# KiCad board KES.kicad_pcb (continued)
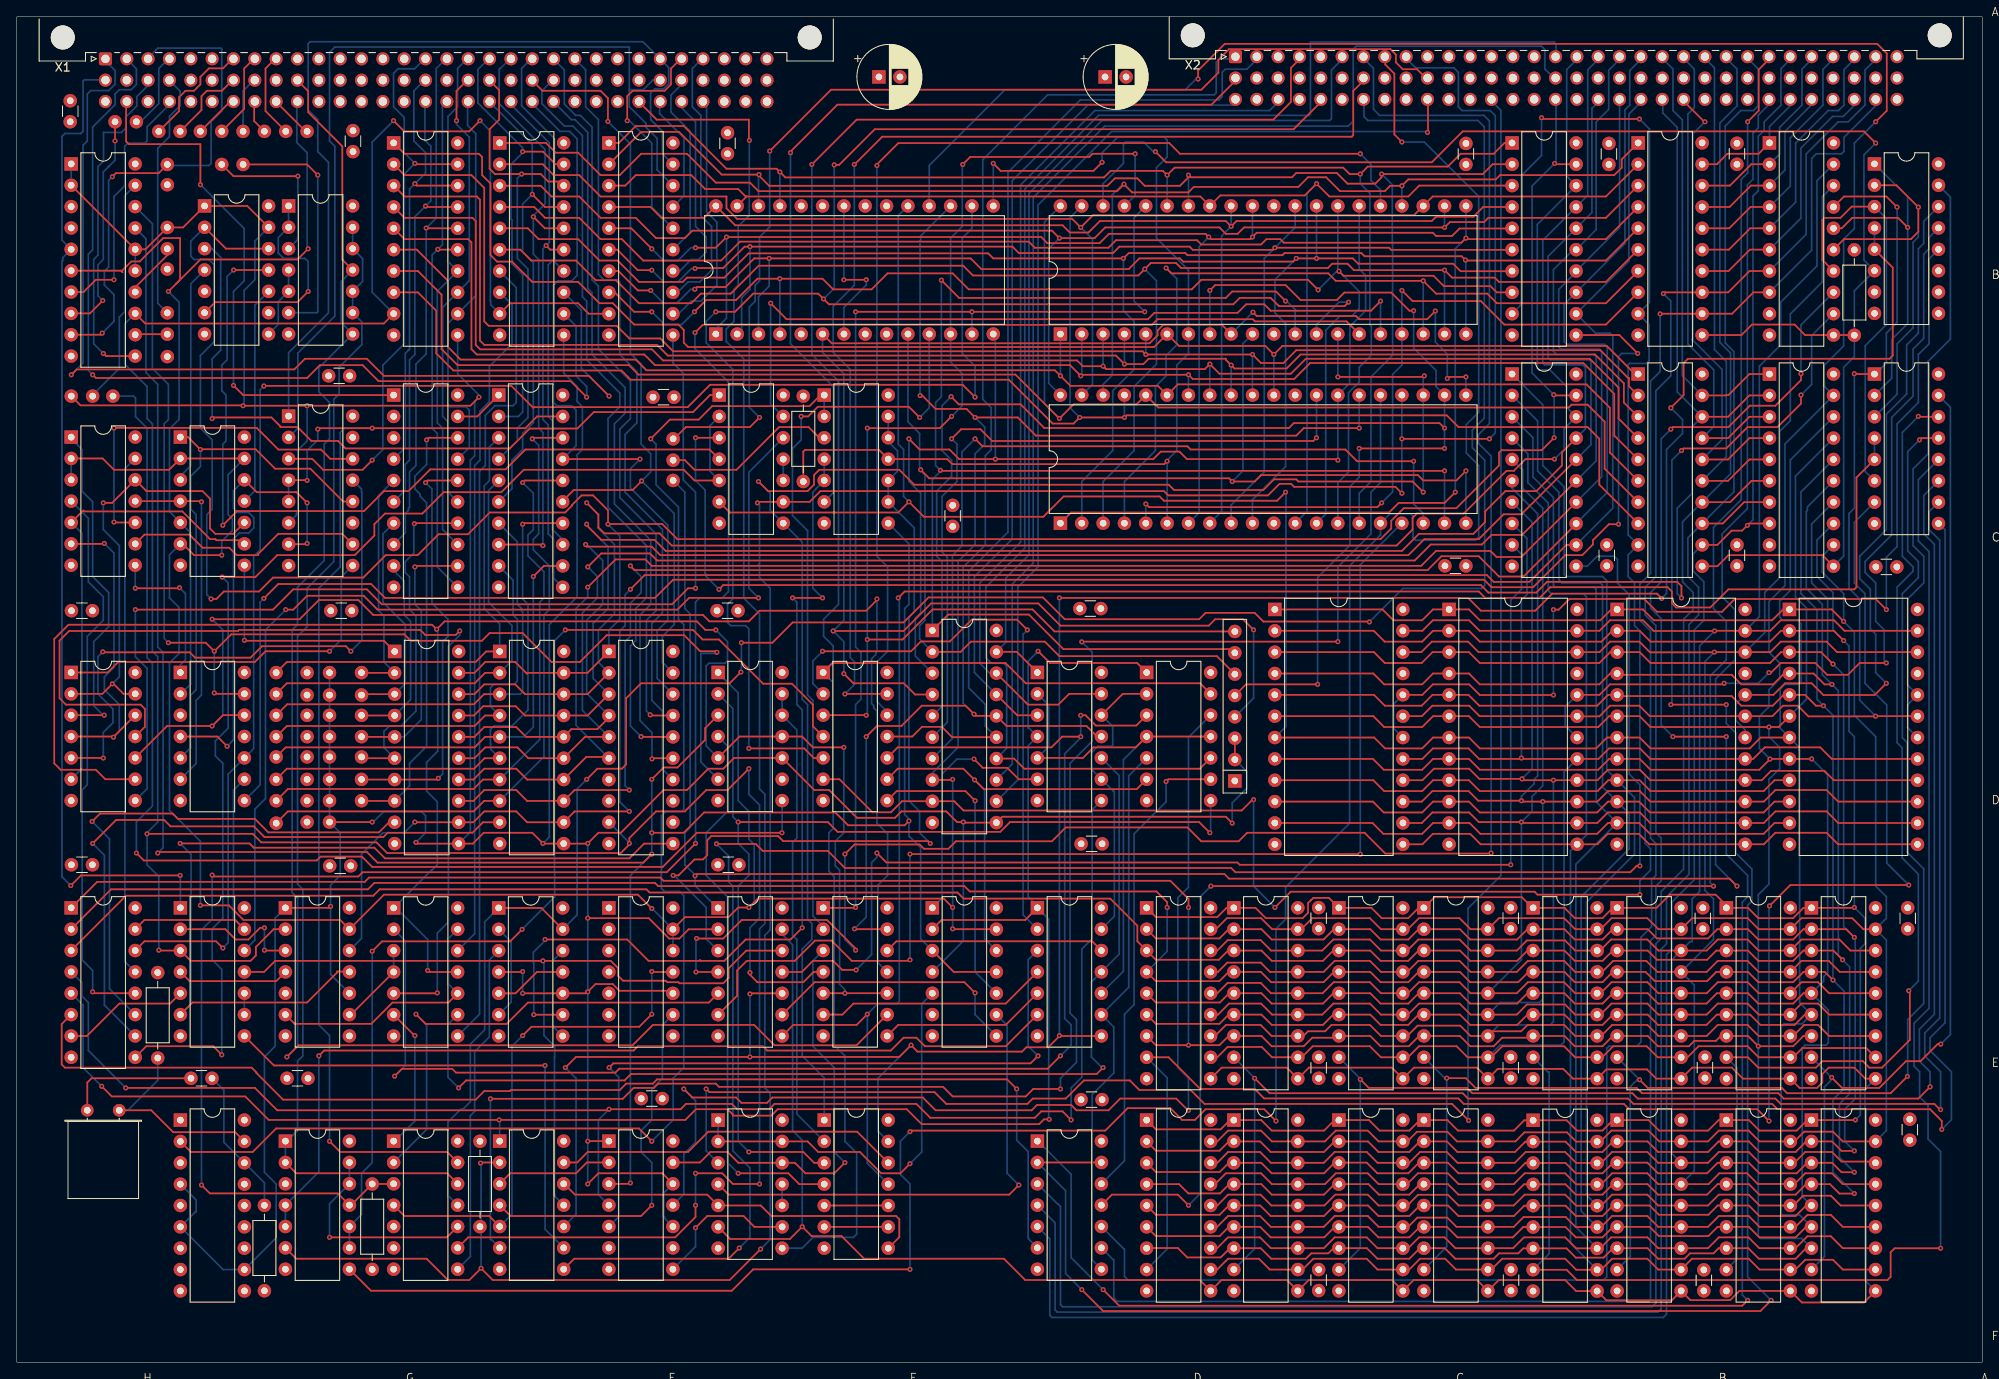
[diagram p0: board, top side]
## Routing (per net, layer and track width the routed paths; a pad name or vN(x,y) marks a point on that pad's centre or on a via; arc(x,y) is an arc through that point) (continued)
/Blatt 2/8.02: length 26.3
  Top w0.2: FWCM1.3 41.13,79.47
  Bottom w0.2: FWBM1.7 43.59,98.55 43.59,90.4 46.24,87.75 46.24,80.74 FWCM1.3
/Blatt 2/8.03: length 22.8
  Top w0.2: FWCM1.4 41.05,76.93
  Bottom w0.2: 44.85,94.19 46.11,92.93 46.11,88.89 46.87,88.13 46.87,78.83 FWCM1.4
/Blatt 2/8.04: length 31.6
  Top w0.2: FWBM1.12 47.5,94.73 v1(47.38,94.61) ; FWCM1.5 41.05,74.39
  Bottom w0.2: v1(47.38,94.61) 47.38,90.16 48.14,89.4 48.14,76.45 46.08,74.39 FWCM1.5
/Blatt 2/8.05: length 40.8
  Top w0.2: FWCM1.6 41.18,71.85 ; FWBM1.14 47.38,99.81 v1(47.32,99.75)
  Bottom w0.2: FWCM1.6 43.7,73.12 43.7,75.05 44.33,75.68 45.73,75.68 47.51,77.46 47.51,88.77 46.74,89.53 46.74,93.43 46.24,93.94 46.24,95.24 47.25,96.26 47.25,99.69 v1(47.32,99.75)
/Blatt 2/8.06: length 49.9
  Top w0.2: FWBM1.16 48.9,104.89 v1(48.65,104.64) ; v1(50.17,69.46) 50.02,69.31 FWCM1.7 41.05,69.31
  Bottom w0.2: v1(48.65,104.64) 49.41,103.88 49.41,90.29 51.32,88.38 51.32,86.35 50.68,85.72 50.68,69.97 v1(50.17,69.46)
/Blatt 2/8.07: length 53.4
  Top w0.2: v1(48.78,109.72) 49.03,109.97 FWBM1.18 ; FWCM1.8 41.05,66.77
  Bottom w0.2: FWCM1.8 46.74,68.54 46.74,71.24 48.78,73.27 48.78,102.23 48.01,102.99 48.01,103.24 47.38,103.88 47.38,105.4 48.78,106.8 v1(48.78,109.72)
/Blatt 2/8.08: length 54.5
  Top w0.2: J17.1 32.14,83.3 54.62,83.3 55.86,84.55 FMCM1.1
  Bottom w0.2: FMBM1.3 56.25,108.87 56.25,104.88 55.63,104.26 55.63,89.65 57.47,87.82 FMCM1.1
/Blatt 2/8.09: length 52.8
  Top w0.2: FMCM1.2 55.74,82.01 54.49,80.76 32.14,80.76 J18.1
  Bottom w0.2: FMCM1.2 58.94,83.48 58.94,87.62 56.14,90.42 56.14,103.68 FMBM1.5
/Blatt 2/8.10: length 51.7
  Top w0.2: FMCM1.3 55.61,79.47 54.41,78.27 32.18,78.27 J19.1
  Bottom w0.2: FMCM1.3 59.93,79.47 60.21,79.75 60.21,89.27 60.08,89.4 60.08,89.65 59.57,90.16 59.57,97.59 FMBM1.7
/Blatt 2/8.11: length 49.6
  Top w0.2: FMCM1.4 55.74,76.93 54.49,75.68 32.14,75.68 J20.1
  Bottom w0.2: FMBM1.9 59.06,93.02 59.06,88.89 59.57,88.38 59.57,81.02 59.19,80.64 56.78,80.64 56.37,80.23 56.37,78.03 FMCM1.4
/Blatt 2/8.12: length 54
  Top w0.2: FMCM1.5 55.74,74.39 54.49,73.14 32.01,73.14 J21.1 ; v1(61.48,93.46) 62.74,94.73 FMBM1.12
  Bottom w0.2: FMCM1.5 60.31,74.39 61.48,75.56 v1(61.48,93.46)
/Blatt 2/8.13: length 64.1
  Top w0.2: FMBM1.14 60.33,99.81 v1(60.21,99.69) ; FMCM1.6 55.67,71.85 54.43,70.6 32.14,70.6 J22.1
  Bottom w0.2: FMCM1.6 56.4,72.92 56.4,73.53 56.37,73.55 56.37,75.28 56.68,75.58 56.7,75.58 56.8,75.68 58.94,75.68 60.84,77.59 60.84,90.16 60.21,90.8 v1(60.21,99.69)
/Blatt 2/8.14: length 71.6
  Top w0.2: J23.1 32.27,68.19 54.36,68.19 55.48,69.31 FMCM1.7 ; v1(60.21,104.64) 60.46,104.89 FMBM1.16
  Bottom w0.2: v1(60.21,104.64) 61.48,103.37 61.48,99.05 60.84,98.42 60.84,95.93 62.75,94.02 62.75,90.92 62.24,90.42 62.24,74.08 FMCM1.7
/Blatt 2/8.15: length 78.3
  Top w0.2: FMCM1.8 55.61,66.77 54.36,65.52 32.27,65.52 J24.1 ; FMBM1.18 61.47,109.97 v1(61.35,109.85)
  Bottom w0.2: v1(61.35,109.85) 62.11,109.09 62.11,98.54 61.48,97.91 61.48,96.64 63.38,94.73 63.38,89.53 62.75,88.89 62.75,72.05 FMCM1.8
/Blatt 3/11.40: length 217.2
  Top w0.2: v1(10.1,32.82) 11.31,31.62 27.19,31.62 29.98,28.82 v1(57.41,28.82) 79.57,28.82 80.84,30.09 84.59,30.09 85.22,29.46 85.22,29.33 89.8,29.33 90.56,30.09 105.93,30.09 107.7,28.31 121.67,28.31 122.25,28.88 v1(122.88,28.88) ; DUDM1.2 110.07,52.61 120.03,52.61 DKDM1.1 ; v1(121.55,84.57) 121.57,84.57 122.97,83.18 133.34,83.18 DACO1.1
  Bottom w0.2: FMEK1.1 57.47,28.76 v1(57.41,28.82) ; 121.47,54.04 122.82,52.7 122.82,28.95 v1(122.88,28.88) ; 121.47,54.3 120.37,55.4 120.37,73.33 DKCO1.4 120.47,75.43 120.4,75.43 120.37,75.46 120.37,83.4 v1(121.55,84.57) ; v1(10.1,32.82) 7.88,35.04 7.88,42.48 HEDM1.5
/Blatt 3/11.53: length 143.2
  Top w0.2: HEDM1.6 5.34,40.22 5.34,35.43 5.72,35.04 27.95,35.04 28.51,34.48 28.51,34.41 31.69,31.23 54.62,31.23 55.63,32.25 58.68,32.25 58.81,32.38 71.76,32.38 72.53,33.14 75.7,33.14 76.21,33.65 117.86,33.65 v1(119.01,32.5)
  Bottom w0.2: DKEK1.6 120.4,14.67 120.4,14.85 120.37,14.89 120.37,25.05 119.01,26.41 v1(119.01,32.5)
/Blatt 3/11.60: length 184.3
  Top w0.2: v1(12.96,32.63) 28.33,32.63 31,29.96 70.37,29.96 v1(70.49,30.09) 79,30.09 79.64,30.73 85.1,30.73 85.73,30.09 89.54,30.09 90.18,30.73 107.07,30.73 108.72,29.08 121.17,29.08 121.93,29.84 124.47,29.84 v1(125.48,28.82)
  Bottom w0.2: v1(12.96,32.63) 8.52,37.08 8.52,42.79 7.75,43.55 7.75,45.2 7.7,45.2 HEDM1.4 ; DKCO1.8 127.99,65.71 127.99,50.38 126.75,49.14 126.75,33.9 125.48,32.63 v1(125.48,28.82) ; v1(70.49,30.09) 69.22,28.82 69.22,19.93 FCEK1.4
/Blatt 3/11.66: length 32.8
  Top w0.2: HEDM1.15 15.19,52.61 25.99,52.61 GSDM1.13
  Bottom w0.2: GSDM1.13 25.79,52.81 25.79,68.05 GSCO1.9
/Blatt 3/11.87: length 142
  Top w0.2: v1(91.07,62.98) 80.94,62.98 76.88,58.92 42.3,58.92 41.07,60.15 36.16,60.15 35.69,59.68 15.12,59.68 v1(14.23,60.57)
  Bottom w0.2: v1(91.07,62.98) 91.09,63.01 EQCO1.8 ; v1(14.23,60.57) 14.23,64.25 16.14,66.16 16.14,83.18 15.5,83.81 15.5,111.12 14.13,112.49 14.13,114.7 13.9,114.93 X1009.1
/Blatt 3/11.88: length 56.5
  Top w0.2: v1(136.79,69.08) 137.06,69.35 DACO1.9
  Bottom w0.2: DKEK1.12 131.83,23.96 131.83,41.39 132.98,42.54 132.98,62.86 136.79,66.67 v1(136.79,69.08)
/Blatt 3/11.91: length 29.2
  Top w0.2: X9.9.1 34.55,142.49 v1(35.82,141.22)
  Bottom w0.2: v1(35.82,141.22) 35.82,124.96 35.71,124.85 GIAS1.6
/Blatt 3/11.92: length 151.1
  Top w0.2: v1(23.5,79.62) 23.61,79.51 GSCO1.13 ; v1(83.32,84.45) 83.19,84.57 81.34,84.57 79.43,86.48 70.2,86.48 67.06,83.34 67.06,83.3 63.64,83.3 60.21,86.73 56.27,86.73 55.36,85.83 46.89,85.83 46.11,86.61 46.09,86.59 25.52,86.59 v1(23.5,84.57) 22.49,85.59 v1(18.04,85.59)
  Bottom w0.2: v1(23.5,84.57) v1(23.5,79.62) ; v1(18.04,85.59) 17.53,86.1 17.53,111.63 18.04,112.13 18.04,116.32 16.14,118.23 16.14,135.42 HEAO1.18 ; EQCO1.6 81.41,71.41 81.41,84.32 83.19,84.32 v1(83.32,84.45)
/Blatt 3/11.97: length 18.7
  Top w0.2: v1(33.45,141.09) 25.79,141.09 X9.10.1
  Bottom w0.2: v1(33.45,141.09) 33.45,133.76 33.41,133.72 33.41,133.53 GIAS1.3
A0: length 510.9
  Top w0.2: CQDM1.5 148.13,43.89 149.36,42.66 155.46,42.66 156.68,43.89 ; 156.83,18.64 155.58,17.39 149.23,17.39 147.98,18.64 CQEI1.5 ; DAEI1.5 135.57,17.54 143.16,17.54 144.26,18.64 ; v1(140.6,152.65) 140.6,153.66 143.77,156.84 221.42,156.84 222.56,155.7 222.56,148.89 v1(221.24,147.57) ; 189.98,18.64 188.73,17.39 185.56,17.39 184.33,18.62 BMEI1.5 179.42,18.62 178.19,17.39 171.59,17.39 170.34,18.64 BWEI1.5 ; 166.99,18.64 165.74,17.39 162.06,17.39 160.81,18.64 CGEI1.5 ; BEEI1.5 194.34,18.64 195.44,17.54 201.34,17.54 202.44,18.64 ASEI1.5 206.15,18.64 207.4,17.39 211.72,17.39 212.97,18.64 ; 144.29,43.89 143.19,42.79 135.57,42.79 DADM1.5 ; CGCI1.8 161.4,71.77 162.69,70.48 167.27,70.48 168.56,71.77 BOCI1.8 172.83,71.77 174.12,70.48 188.22,70.48 189.51,71.77 AWCI1.8 193.15,71.77 194.44,70.48 207.4,70.48 v1(208.67,71.75) 208.69,71.77 AGCI1.8 v1(213.62,71.77) ; BWDM1.5 171.76,43.89 172.98,42.66 178.57,42.66 179.8,43.89 ; BEDM1.5 194.11,43.89 195.33,42.66 201.11,42.66 202.34,43.89 ASDM1.5 206.05,43.89 207.27,42.66 211.42,42.66 212.65,43.89 AKDM1.5 ; BMDM1.5 184.2,43.89 185.43,42.66 188.73,42.66 189.96,43.89 ; CGDM1.5 161.09,43.89 162.31,42.66 165.62,42.66 166.84,43.89
  Bottom w0.2: DUAS1.18 108.6,142.37 117.61,151.38 139.07,151.38 140.34,152.65 v1(140.6,152.65) ; v1(208.67,71.75) 207.4,73.02 207.4,76.83 208.54,77.97 208.54,80 209.81,81.27 209.81,83.18 208.54,84.45 208.54,90.48 210.45,92.38 210.45,109.24 AQBK1.19 215.16,116.07 215.15,116.07 215.15,116.58 215.12,116.6 215.12,118.58 217.43,120.9 217.43,133.6 218.7,134.87 218.7,145.03 v1(221.24,147.57) ; AKEI1.5 212.5,19.74 212.5,37.38 212.83,37.71 215.32,37.71 215.6,37.99 215.6,41.89 AKDM1.5 215.04,45.33 215.04,45.86 215.53,46.35 215.53,69.87 v1(213.62,71.77)
A1: length 477.8
  Top w0.2: 166.84,41.35 165.62,40.12 162.31,40.12 161.09,41.35 CGDM1.6 ; BWEI1.6 170.21,16.1 171.46,14.85 178.06,14.85 179.29,16.08 BMEI1.6 184.33,16.08 185.56,14.85 188.73,14.85 189.98,16.1 ; 156.86,16.1 155.61,14.85 149.23,14.85 147.98,16.1 CQEI1.6 ; DADM1.6 135.57,40.25 143.14,40.25 144.24,41.35 ; CGEI1.6 160.81,16.1 162.06,14.85 165.74,14.85 166.99,16.1 ; 144.26,16.1 143.16,15 135.57,15 DAEI1.6 ; BMDM1.6 184.2,41.35 185.43,40.12 188.73,40.12 189.96,41.35 ; BWDM1.6 171.76,41.35 172.98,40.12 178.57,40.12 179.8,41.35 ; 212.97,16.1 211.72,14.85 207.4,14.85 206.15,16.1 ASEI1.6 202.43,16.1 201.32,15 195.44,15 194.34,16.1 BEEI1.6 ; 156.68,41.35 155.46,40.12 149.36,40.12 148.13,41.35 CQDM1.6 ; BEDM1.6 194.11,41.35 195.33,40.12 201.11,40.12 202.34,41.35 ASDM1.6 206.3,41.35 207.53,40.12 211.59,40.12 212.82,41.35 AKDM1.6 ; v1(151.01,103.5) 150,102.48 136.53,102.48 136.03,102.99 124.59,102.99 122.18,100.58 107.96,100.58 v1(106.18,102.35) 104.91,101.08 84.87,101.08 EQBM1.6 ; CGCI1.7 161.55,74.31 162.85,73.02 167.27,73.02 168.56,74.31 BOCI1.7 172.83,74.31 174.12,73.02 187.97,73.02 189.26,74.31 AWCI1.7 193.15,74.31 194.44,73.02 206.26,73.02 207.55,74.31 AGCI1.7
  Bottom w0.2: DUAS1.19 104.91,136.4 104.91,109.21 105.54,108.58 105.54,102.99 v1(106.18,102.35) ; v1(151.01,103.5) 151.05,103.46 151.05,75.63 CGCI1.7 ; AQBK1.18 211.08,107.33 211.08,91.81 209.81,90.54 209.81,88.64 210.19,88.26 211.97,88.26 212.35,87.88 212.35,80.89 212.1,80.64 210.45,80.64 209.88,80.07 209.88,75.41 AGCI1.7 212.1,73.19 212.1,72.89 212.19,72.8 212.19,42.76 AKDM1.6 ; AKEI1.6 212.18,17.52 210.07,17.52 209.99,17.59 209.99,39.9 210.34,40.25 212.48,40.25 213.58,41.35
A2: length 489.4
  Top w0.2: BWDM1.7 171.76,38.81 172.98,37.58 175.78,37.58 176.79,38.6 180.26,38.6 ; 157.14,38.6 154.19,38.6 153.17,37.58 149.36,37.58 148.13,38.81 CQDM1.7 ; 156.71,13.56 156.09,12.95 154.06,12.95 153.42,12.31 149.3,12.31 148.05,13.56 CQEI1.7 ; 189.96,38.81 188.73,37.58 185.43,37.58 184.2,38.81 BMDM1.7 ; CGCI1.6 161.45,76.85 162.75,75.56 167.27,75.56 168.56,76.85 BOCI1.6 172.83,76.85 174.12,75.56 188.22,75.56 189.51,76.85 AWCI1.6 193.15,76.85 194.44,75.56 v1(208.54,75.56) 209.69,75.56 AGCI1.6 ; 189.98,13.56 188.86,12.44 185.56,12.44 184.46,13.54 BMEI1.7 179.29,13.54 178.7,12.95 176.41,12.95 175.78,12.31 171.2,12.31 169.96,13.56 BWEI1.7 ; 144.39,13.56 143.29,12.46 139.31,12.46 138.18,13.58 134.49,13.58 ; 212.97,13.56 211.72,12.31 207.34,12.31 206.09,13.56 ASEI1.7 202.55,13.56 201.94,12.95 199.14,12.95 198.51,12.31 195.33,12.31 194.09,13.56 BEEI1.7 ; DADM1.7 135.57,37.71 v1(139.45,37.71) 143.14,37.71 144.24,38.81 ; 202.81,38.81 202.22,38.22 199.65,38.22 199.02,37.58 195.33,37.58 194.11,38.81 BEDM1.7 ; CGDM1.7 161.09,38.81 162.31,37.58 165.68,37.58 166.9,38.81 ; HEDM1.1 9.56,57.14 41.41,57.14 41.92,57.65 76.59,57.65 76.97,57.27 137.29,57.27 139.45,55.11 v1(139.45,54.09) ; ASDM1.7 206.05,38.81 v1(207.27,37.58) 211.42,37.58 212.65,38.81 AKDM1.7 ; 166.99,13.56 165.74,12.31 161.93,12.31 160.68,13.56 CGEI1.7
  Bottom w0.2: v1(139.45,54.09) v1(139.45,37.71) ; AQBK1.17 211.7,105.41 211.7,91.03 213.01,89.72 213.01,78.88 AGCI1.6 ; v1(208.54,75.56) 208.54,74.41 209.81,73.14 209.81,70.6 208.54,69.33 208.54,56.89 207.27,55.62 v1(207.27,37.58) 207.27,14.98 207.53,14.72 212.44,14.72 AKEI1.7
A3: length 479.7
  Top w0.2: 189.97,21.18 188.72,19.93 185.56,19.93 184.33,21.16 BMEI1.4 179.37,21.16 178.14,19.93 171.59,19.93 170.34,21.18 BWEI1.4 ; 179.92,46.43 178.7,45.2 172.98,45.2 171.76,46.43 BWDM1.4 ; 166.99,21.18 165.74,19.93 162.12,19.93 160.87,21.18 CGEI1.4 ; CGDM1.4 161.09,46.43 162.31,45.2 165.62,45.2 166.84,46.43 ; AKEI1.4 215.8,21.18 216.92,20.06 v1(218.7,20.06) ; 144.3,21.18 143.2,20.08 139.43,20.08 138.33,21.18 DAEI1.4 ; 190.62,79.24 204.1,79.24 205.24,78.1 208.99,78.1 210.28,79.39 AGCI1.5 212.84,79.39 214.13,78.1 v1(215.02,78.1) ; v1(216.16,45.46) 215.19,46.43 AKDM1.4 212.65,46.43 211.42,45.2 207.27,45.2 206.05,46.43 ASDM1.4 202.28,46.43 201.18,45.33 194.95,45.33 193.85,46.43 BEDM1.4 ; 212.97,21.18 211.72,19.93 207.4,19.93 206.15,21.18 ASEI1.4 202.43,21.18 201.18,19.93 195.33,19.93 194.09,21.18 BEEI1.4 ; CQDM1.4 148.07,46.43 149.3,45.2 155.54,45.2 156.76,46.43 ; DADM1.4 135.57,45.33 143.14,45.33 144.24,46.43 ; HEDM1.2 11.21,56.25 41.79,56.25 42.55,57.02 75.95,57.02 76.33,56.63 112.78,56.63 113.42,56 135.64,56 136.91,54.73 v1(136.91,54.09) ; 156.83,21.18 155.58,19.93 149.37,19.93 148.12,21.18 CQEI1.4 ; AWCI1.5 189.39,79.39 188.09,78.1 174.06,78.1 172.77,79.39 BOCI1.5 168.5,79.39 167.2,78.1 162.82,78.1 161.53,79.39 CGCI1.5 ; BMDM1.4 184.2,46.43 185.43,45.2 188.73,45.2 189.96,46.43
  Bottom w0.2: AQBK1.16 212.35,103.52 212.35,91.43 214.26,89.53 214.26,78.86 v1(215.02,78.1) 216.16,76.95 v1(216.16,45.46) 217.48,44.14 217.48,32.56 216.16,31.23 216.16,22.6 v1(218.7,20.06) ; v1(136.91,54.09) 136.91,48.87 DADM1.4
A4: length 467.4
  Top w0.2: 210.34,81.93 209.05,80.64 205.24,80.64 204.1,81.78 190.62,81.78 ; 189.96,48.97 188.73,47.74 185.43,47.74 184.2,48.97 BMDM1.3 ; 144.16,48.97 143.06,47.87 135.57,47.87 DADM1.3 133.37,50.07 133.37,51.92 130.14,55.15 112.69,55.15 111.96,55.87 75.32,55.87 74.94,56.25 43.19,56.25 42.43,55.49 12.99,55.49 HEDM1.3 ; 166.84,48.97 165.62,47.74 162.31,47.74 161.09,48.97 CGDM1.3 ; v1(218.7,22.6) 217.18,22.6 216.06,23.72 AKEI1.3 ; 190.49,23.74 194.06,23.74 195.33,22.47 201.18,22.47 202.43,23.72 ASEI1.3 206.15,23.72 207.4,22.47 211.84,22.47 213.09,23.72 ; 179.8,48.97 178.57,47.74 172.98,47.74 171.76,48.97 BWDM1.3 ; 156.83,23.72 155.58,22.47 149.36,22.47 148.11,23.72 CQEI1.3 ; DAEI1.3 135.57,22.62 143.16,22.62 144.26,23.72 ; BEDM1.3 194.11,48.97 195.21,47.87 201.18,47.87 202.28,48.97 ASDM1.3 206.05,48.97 207.27,47.74 211.42,47.74 212.65,48.97 AKDM1.3 216.21,48.97 v1(217.3,47.87) ; AGCI1.4 213.85,81.93 215.15,80.64 v1(216.03,80.64) ; CQDM1.3 148.13,48.97 149.36,47.74 155.46,47.74 156.68,48.97 ; 167.49,23.74 170.31,23.74 171.59,22.47 178.32,22.47 179.54,23.7 BMEI1.3 184.33,23.7 185.56,22.47 188.73,22.47 189.98,23.72 ; CGCI1.4 161.45,81.93 162.75,80.64 167.27,80.64 168.56,81.93 BOCI1.4 172.83,81.93 174.12,80.64 188.35,80.64 189.64,81.93 AWCI1.4 ; 157.37,23.74 160.66,23.74 161.93,22.47 165.62,22.47 166.87,23.72
  Bottom w0.2: AQBK1.15 213.11,101.74 213.11,101.34 212.99,101.21 212.99,92.07 214.89,90.16 214.89,81.78 v1(216.03,80.64) 216.8,79.88 216.8,48.38 v1(217.3,47.87) 218.14,47.03 218.14,31.95 216.92,30.73 216.92,24.38 v1(218.7,22.6)
A14: length 242.3
  Top w0.2: v1(196.86,110.99) 197.11,111.24 203.72,111.24 206.26,113.78 209.3,113.78 212.35,116.83 v1(212.35,117.59) ; v1(129.29,8.63) 131.2,6.72 205.37,6.72 v1(206,7.36) ; v1(203.46,74.41) v1(197.11,74.41)
  Bottom w0.2: v1(197.11,74.41) 195.72,75.81 195.72,88.45 194.44,89.72 194.44,91.56 195.72,92.83 195.72,109.85 v1(196.86,110.99) ; v1(203.46,74.41) 203.46,60.44 206,57.9 206,55.36 205.37,54.73 205.37,7.99 v1(206,7.36) ; 121.53,26.3 125.48,22.34 125.48,12.44 v1(129.29,8.63) ; v1(212.35,117.59) 212.35,123.4 AQAM1.13
A15: length 248.3
  Top w0.2: v1(203.46,78.22) v1(196.86,78.22) ; v1(126.75,8.63) 129.29,6.09 207.53,6.09 v1(208.8,7.36) ; v1(198.13,108.45) 198.38,108.7 203.46,108.7 206,111.24 209.56,111.24 212.35,114.04 v1(212.35,115.05) ; DKEK1.2 DKEK1.13
  Bottom w0.2: v1(196.86,78.22) 196.98,78.35 196.98,107.31 v1(198.13,108.45) ; v1(126.75,8.63) 124.82,10.56 124.82,20.41 DKEK1.2 ; v1(208.8,7.36) 206,10.15 206,54.35 206.51,54.86 206.51,58.67 204.61,60.57 204.61,74.84 203.46,75.99 v1(203.46,78.22) ; AQAM1.12 213.66,122.17 213.62,122.17 213.62,116.32 v1(212.35,115.05)
BAO: length 247.8
  Top w0.2: v1(193.18,55.62) 181,55.62 180.64,55.97 151.62,55.97 v1(149.74,54.09) ; EGCO1.6 97.91,69.35 101.84,65.42 104.04,65.42 105.35,66.73 DUCK1.9 111.58,66.73 112.68,65.63 145.78,65.63 147.07,66.92 v1(147.2,66.92) ; v1(181.47,148.05) 181.62,147.9 v1(193.12,147.9)
  Bottom w0.2: v1(181.47,148.05) 181.47,143.55 179.07,141.15 179.07,126.15 178.97,126.05 178.97,125.73 BOAM1.9 ; v1(147.2,66.92) 147.2,56.63 v1(149.74,54.09) ; v1(193.18,55.62) 193.18,57.27 194.44,58.54 194.44,61.08 193.81,61.71 193.81,69.84 193.18,70.48 193.18,86.99 192.54,87.62 192.54,92.7 191.78,93.46 191.78,96.04 BCBK1.9 191.78,98.42 191.78,118.66 191.93,118.81 193.96,118.81 194.26,119.12 194.26,123.44 BCAM1.9 194.32,126.08 194.32,146.7 v1(193.12,147.9)
CLKSK: length 125.2
  Top w0.2: R6.1 93.61,108.32 93.81,108.53 102.62,108.53 EGBM1.11 110.76,107.43 111.35,106.83 136.56,106.83 v1(136.91,107.18) ; v1(129.17,142.74) 128.15,141.72 117.1,141.72 v1(116.21,142.61)
  Bottom w0.2: DUAS1.15 116.22,142.61 v1(116.21,142.61) ; v1(129.17,142.74) 129.17,143.88 131.07,145.79 136.51,145.79 136.91,145.38 136.91,143.38 135.64,142.11 135.64,133.72 139.45,129.92 CAAS1.7 139.45,120 138.06,118.61 138.06,108.45 136.91,107.3 v1(136.91,107.18) CABM1.6
DIRMEM: length 226.9
  Top w0.2: FMEK1.8 66.34,12.31 84.72,12.31 v1(85.99,13.58) ; v1(83.27,61.66) 83.28,61.65 87.96,61.65 88.78,60.83 96.53,60.83 98.56,58.79 144.53,58.79 145.04,58.29 192.03,58.29 192.79,59.05 v1(193.18,59.05)
  Bottom w0.2: BOBK1.11 186.91,94.69 188.09,95.88 190.13,95.88 190.51,95.5 190.51,92.7 191.91,91.31 191.91,69.97 193.18,68.7 v1(193.18,59.05) ; v1(85.99,13.58) 87.26,14.85 87.26,23.11 85.22,25.14 85.22,56.63 84.72,57.14 84.72,60.22 v1(83.27,61.66)
DRDY: length 132.8
  Top w0.2: v1(159.9,143.76) 138.44,143.76 137.17,145.03 104.91,145.03 102.37,142.49
  Bottom w0.2: v1(102.37,142.36) 102.37,95.88 103.64,94.61 103.64,84.57 102.37,83.3 102.37,78.61 103.59,77.39 ; CAAS1.25 162.31,139.44 161.17,140.58 161.17,142.49 v1(159.9,143.76)
H1: length 190.4
  Top w0.2: BCBK1.11 202.4,94.69 203.72,96 214.91,96 AQBK1.11 ; v1(221.24,145.03) 219.84,146.42 172.09,146.42 168.41,142.74 136.79,142.74 v1(135.52,144.01) ; BCAM1.11 205.26,122.19 206.51,123.44 211.59,123.44 212.84,122.19 AQAM1.11 218.68,122.19
  Bottom w0.2: v1(135.52,144.01) 135.26,144.01 134.12,145.15 131.96,145.15 131.71,144.9 131.71,142.61 129.29,140.2 CAAS1.38 ; AQBK1.11 217.43,95.9 217.43,118.36 218.7,119.63 R1.1 218.7,127.45 AEAO1.6 219.84,131.11 219.84,143.63 v1(221.24,145.03)
H2: length 610.7
  Top w0.2: v1(47.51,61.84) 47.66,61.69 FWCM1.11 54.28,61.69 55.57,62.98 61.35,62.98 v1(62.62,61.71) 62.64,61.69 FMCM1.11 67.93,61.69 v1(67.95,61.71) 69.22,62.98 71.89,62.98 76.97,68.06 79.76,68.06 82.3,70.6 84.08,70.6 85.37,71.89 EQCO1.10 94.92,68.06 96.69,68.06 99.99,64.76 104.53,64.76 105.29,65.52 110.62,65.52 111.9,64.25 v1(112.66,64.25) 112.72,64.19 DUCK1.11 117.29,64.89 143.9,64.89 v1(144.66,64.13) ; FCEK1.12 76.84,22.47 69.22,22.47 v1(67.95,21.2) ; v1(37.35,54.22) 37.17,54.05 GIDM1.1 ; v1(60.21,46.47) 60.15,46.42 FMDM1.4 ; R2.2 R2.3 ; GQAS1.13 27.43,137.55 GQAS1.1 19.79,134.99 X1003.1 15.31,132.39 HEAO1.16 HEAO1.2 ; J12.1 v1(42.3,64.25) ; v1(67.95,52.82) 75.21,52.82 77.63,50.4 78.86,50.4 79.96,51.5 EQDM1.2 ; 34.93,113.78 v1(26.93,113.78) 26.89,113.83 7.59,113.83 X1011.1 ; 77.78,44.19 71.72,44.19 70.93,44.98 68.87,44.98 v1(67.95,44.06) 67.77,43.88 FMDM1.10 v1(60.21,43.88) ; FCEK1.1 67.97,26.3 v1(67.95,26.28) ; v1(55,114.8) 53.98,113.78 v1(34.55,113.78)
  Bottom w0.2: v1(26.93,113.78) 27.06,113.91 27.06,127.5 28.33,128.77 28.33,133.37 GQAS1.13 ; DUDM1.4 112.66,50.12 v1(112.66,64.25) ; FCEK1.10 77.1,17.13 77.1,17.26 76.99,17.37 76.99,20.12 FCEK1.12 ; v1(34.55,113.78) 34.55,109.59 33.41,108.45 33.45,108.41 33.45,101.13 33.28,100.96 33.28,100.78 GIBO1.6 ; v1(67.95,21.2) v1(67.95,26.28) v1(67.95,44.06) v1(67.95,52.82) v1(67.95,61.71) ; HEAO1.2 HEAO1.1 ; GIDM1.1 30.74,52.82 30.74,37.58 29.47,36.31 29.47,22.6 30.87,21.2 30.87,14.8 GSEI1.11 24.55,11.02 GSEI1.6 21.27,17.9 21.34,17.9 21.34,19.3 21.09,19.55 21.09,19.56 GSEI1.4 ; HEAO1.15 HEAO1.16 ; v1(60.21,43.88) v1(60.21,46.47) ; v1(42.3,64.25) 42.43,64.25 43.7,65.52 48.14,65.52 48.65,65.02 48.65,62.98 v1(47.51,61.84) ; GIDM1.10 37.35,46.13 v1(37.35,54.22) 37.35,56.76 38.49,57.9 38.49,62.98 J12.1 37.22,81.91 ; v1(62.62,61.71) 63.38,62.48 63.38,87.75 66.68,91.05 66.68,107.94 67.32,108.58 67.32,113.66 66.68,114.29 66.68,116.07 65.09,117.66 FMAM1.11 ; FWCM1.11 53.98,63.08 53.98,107.31 54.49,107.82 54.49,114.29 v1(55,114.8) 55.13,114.93 52.47,117.58 FWAM1.11 ; R2.2 146.44,70.22 146.44,68.32 144.66,66.54 v1(144.66,64.13)
IEDC: length 88.1
  Top w0.2: v1(107.45,112.39) 106.18,113.66 95.33,113.66 94.19,112.51 v1(93.35,112.51)
  Bottom w0.2: DUAS1.11 108.6,113.54 v1(107.45,112.39) ; 95.97,51.85 94.75,53.07 94.75,78.73 94.12,79.37 94.12,98.93 92.32,100.72 92.32,108.69 93.35,109.72 v1(93.35,112.51)
IEOD: length 126
  Top w0.2: EGDM1.1 99.79,54.05 v1(99.83,54.09) ; v1(134.25,124.96) v1(113.67,124.96) v1(99.83,124.96)
  Bottom w0.2: v1(99.83,54.09) 99.83,78.22 100.47,78.86 100.47,84.45 99.83,85.08 v1(99.83,124.96) ; v1(113.67,124.96) 113.68,124.95 DUAS1.13 ; CAAS1.36 132.98,136.16 132.98,126.23 v1(134.25,124.96)
KAN: length 27.4
  Top w0.2: v1(27.09,85.88) 27.14,85.83 43.69,85.83 FWCM1.1
  Bottom w0.2: GSBQ1.8 v1(27.09,85.88)
RD16: length 96
  Bottom w0.2: FMAM1.7 59.44,127.84 59.44,114.17 59.06,113.78 56.9,113.78 55.76,112.64 55.76,106.67 55.08,105.99 55.08,41.41 FWDM1.8
STBMAP: length 103.8
  Top w0.2: v1(19.44,61.71) 27.69,61.71 28.2,61.21 42.55,61.21 43.82,59.94 72.91,59.94 74.66,61.69 FCCM1.11 ; 39.55,46.47 38.11,46.47 38.11,46.35 34.55,42.79 20.91,42.79 GSDM1.6
  Bottom w0.2: v1(19.44,61.71) 20.73,60.42 20.73,42.61 GSDM1.6
WR16: length 81.6
  Bottom w0.2: FWDM1.12 54.49,50.98 54.49,106.67 55.13,107.31 55.13,113.15 56.25,114.27 56.25,118.46 58.94,121.15 58.94,125.8 FMAM1.8
Net-(AEAO1-A0): length 40.6
  Top w0.2: v1(225.05,134.99) 223.91,136.14 218.45,136.14 217.2,134.89 AQAM1.16
  Bottom w0.2: AEBK1.2 223.15,117.06 223.15,121.66 225.05,123.56 v1(225.05,134.99) 225.05,138.6 AEAO1.1
Net-(AEAO1-O0): length 70.9
  Bottom w0.2: AGCI1.18 225.05,75.48 225.05,78.22 AGCI1.20 225.05,80.56 225.05,90.8 226.97,92.72 226.97,95.86 225.69,97.15 225.69,106.27 227.47,108.05 227.47,119.05 230.13,121.71 230.13,138.6 AEAO1.15
Net-(AEAO1-O1): length 86.4
  Top w0.2: AWCI1.20 209.07,79.39 210.45,80.76 213.62,80.76 215.02,79.37 221.11,79.37 v1(222.51,80.76)
  Bottom w0.2: AWCI1.20 204.61,78.29 204.61,76.31 205.71,75.21 AWCI1.18 ; v1(222.51,80.76) 221.24,82.03 221.24,86.61 220.61,87.24 220.61,91.94 219.34,93.21 219.34,95.88 222.51,99.05 222.51,112.77 224.92,115.18 224.92,121.02 226.32,122.42 226.32,132.45 226.96,133.09 226.96,135.71 AEAO1.14
Net-(AEAO1-O2): length 102.2
  Top w0.2: v1(208.54,82.03) 208.8,82.03 209.94,83.18 214.06,83.18 215.46,81.78 217.94,81.78 219.34,83.18 v1(222.51,83.18) ; v1(203.21,80.76) 203.08,80.64 189.62,80.64 188.37,79.39 BOCI1.20
  Bottom w0.2: v1(222.51,83.18) 222.26,83.43 222.26,87.11 221.24,88.13 221.24,92.7 219.97,93.97 219.97,95.24 223.15,98.42 223.15,112.39 225.69,114.93 225.69,120.52 226.96,121.79 226.96,131.82 227.59,132.45 227.59,133.8 AEAO1.13 ; BOCI1.20 184.28,77.97 184.28,75.74 BOCI1.18 ; v1(203.21,80.76) 207.27,80.76 v1(208.54,82.03)
Net-(AEAO1-O3): length 122.5
  Top w0.2: v1(182.89,79.37) 174.12,79.37 172.85,80.64 168.54,80.64 167.29,79.39 CGCI1.20 ; v1(222.51,89.53) 221.24,90.8 204.48,90.8 202.95,89.27 195.21,89.27 193.68,90.8 184.79,90.8 183.52,89.53 v1(182.89,89.53)